# Altium PCB MODULE_2x1G_DUAL_MEDIA_V1.0.PcbDoc (part 1 of 3) (continued)
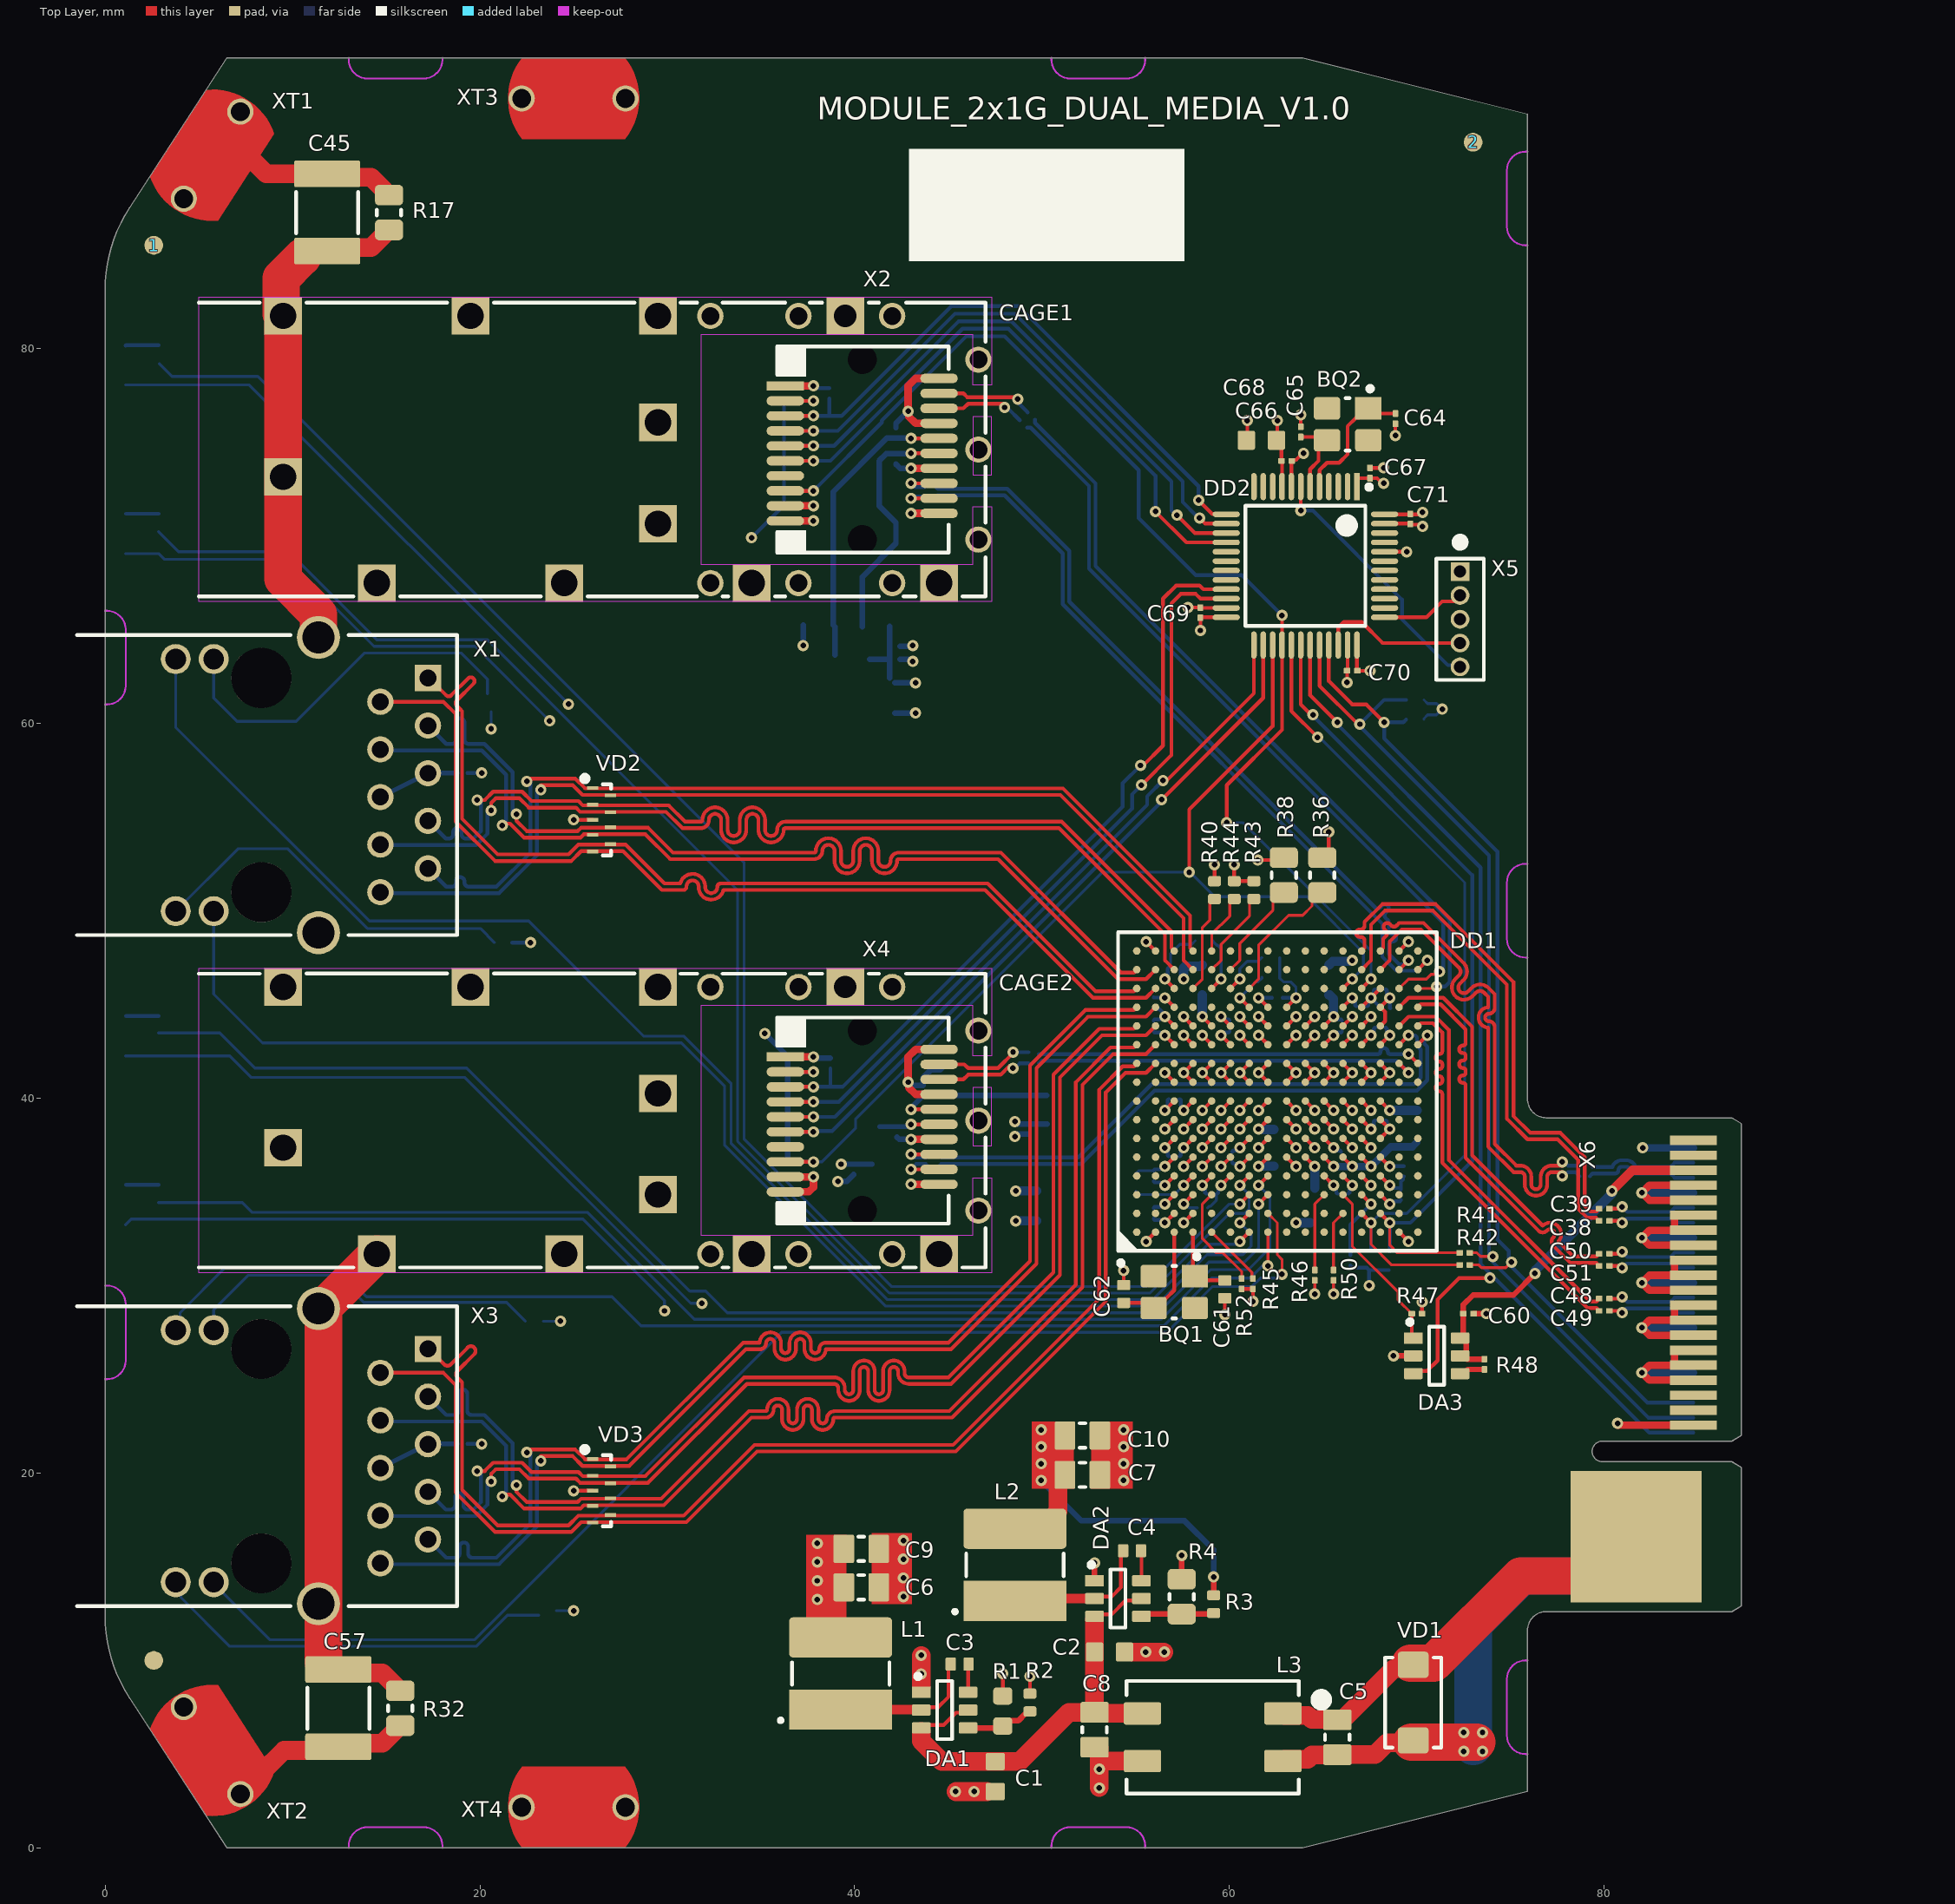
[diagram p0: Top Layer view]
## Components (designator, comment, footprint, x,y, rotation, side; value= is the part's Value field where it differs from the comment) (continued)
R19 "330" RES0402N 21.25,48.3 r180 bottom
R20 "330" RES0402N 2.85,43.9 r90 bottom
R21 "330" RES0402N 2.85,34.9 r90 bottom
R22 "4K7" RES0201N 36.7,39.8 r180 bottom
R23 "4K7" RES0201N 36.7,39 r180 bottom
R24 "10К" RES0201N 36.7,38.2 r180 bottom
R25 "0" RES0201N 38.7,41.85 r90 bottom
R26 "10К" RES0201N 36.7,41.4 r180 bottom
R27 "10К" RES0201N 36.7,36.6 r180 bottom
R28 "0" RES0201N 44.2,36.95 r180 bottom
R29 "0" RES0201N 44.2,36.35 r180 bottom
R30 "0" RES0201N 49.55,41.85 r180 bottom
R31 "0" RES0201N 49.55,42.45 r180 bottom
R32 "9M1" RES0805N 15.75,7.45 r90 top
R33 "330" RES0402N 22.9,28.1 r180 bottom
R34 "330" RES0402N 23.6,12.65 r180 bottom
R35 "4К02 1%" RES0402N 62.2,46.45 r180 bottom
R36 "22К6 1%" RES0805N 64.95,51.9 r270 top
R37 "4К02 1%" RES0402N 62.2,47.5 r180 bottom
R38 "22К6 1%" RES0805N 62.9,51.9 r270 top
R39 "2К26 1%" RES0402N 58.65,48.4 r0 bottom
R40 "0" RES0402N 59.2,51.1 r270 top
R41 "0" RES0201N 72.55,31.75 r180 top
R42 "0" RES0201N 72.55,31.1 r180 top
R43 "0" RES0402N 61.3,51.1 r270 top
R44 "0" RES0402N 60.25,51.1 r270 top
R45 "2К2" RES0201N 61.25,30.1 r90 top
R46 "2К2" RES0201N 64.55,30.55 r90 top
R47 "2К2" RES0201N 70,28.5 r180 top
R48 "10K" RES0201N 73.6,25.8 r270 top
R49 "330" RES0402N 67.45,31.3 r270 bottom
R50 "10K" RES0201N 65.55,30.55 r90 top
R51 "10K" RES0201N 66.45,31.35 r90 bottom
R52 "2К2" RES0201N 60.65,30.1 r90 top
R53 "330" RES0402N 68.5,31.3 r270 bottom
R54 "2К 1%" RES0402N 55,35.5 r90 bottom
R55 "330" RES0402N 69.9,61.25 r0 bottom
R56 "330" RES0402N 69.9,60.2 r0 bottom
VD1 "SMAJ15CA" "DO-214AC (SMA) Non-Polar" 69.8,7.75 r90 top
VD2 "WE-TVS 824014881" DFN3810-9L 26.5,54.85 r270 top
VD3 "WE-TVS 824014881" DFN3810-9L 26.5,19.05 r270 top
X1 "WE-RJ45LAN 7499111447" 7499111447 10.5,56.7 r90 top locked
X2 "SFP" "74441-00(01, 10, 31, 41)" 40.4,74.6 r270 top locked
X3 "WE-RJ45LAN 7499111447" 7499111447 10.5,20.9 r90 top locked
X4 "SFP" "74441-00(01, 10, 31, 41)" 40.4,38.8 r270 top locked
X5 "SWD" PLL-5 72.3,65.55 r270 top locked
X6 "EDGE AMPHENOL CE1204000110111" "EDGE AMPHENOL CE1204000110111" 79.9,21.15 r90 top locked
XT1 "7466313" 7466313 5.711,90.31 r57 top locked
XT2 "7466313" 7466313 5.711,5.19 r123 top locked
XT3 "7466313" 7466313 25,93.335 r0 top locked
XT4 "7466313" 7466313 25,2.165 r0 top locked
? "Comment" Fiducial 2.6,10 r0 top locked
? "Comment" TAB_d0,5_e0,75_q6_offset0,1_keepout 0,27.5 r90 top locked
? "Comment" TAB_d0,5_e0,75_q6_offset0,1_keepout 0,63.5 r90 top locked
? "Comment" TAB_d0,5_e0,75_q6_offset0,1_keepout 15.5,0 r180 top locked
? "Comment" TAB_d0,5_e0,75_q6_offset0,1_keepout 53,0 r180 top locked
? "Comment" TAB_d0,5_e0,75_q6_offset0,1_keepout 15.5,95.5 r0 top locked
? "Comment" TAB_d0,5_e0,75_q6_offset0,1_keepout 53,95.5 r0 top locked
? "Comment" TAB_d0,5_e0,75_q6_offset0,1_keepout 75.9,88 r270 top locked
? "Comment" TAB_d0,5_e0,75_q6_offset0,1_keepout 75.9,50 r270 top locked
? "Comment" TAB_d0,5_e0,75_q6_offset0,1_keepout 75.9,7.5 r270 top locked

## Footprints (in the part's own frame and the unit in brackets; to place one, negate y for a bottom-side part, rotate by r counter-clockwise, add the part's x,y. Pads: shape width x height; smd on the part's side, far side on the other; paste and mask are expansions set on the pad)
2110x0,6-SMD-LED-GN [mm]
  rrect20% 0.8x0.9 smd: A(1.05,0)
  rect 0.8x0.9 smd: C(-1.05,0)
  silkscreen extent -0.68,-0.2 0.68,0.9, body extent -1.08,-0.13 1.08,0.9, height 0.61
2110x0,6-SMD-LED-ORANGE [mm]
  rrect20% 0.8x0.9 smd: A(1.05,0)
  rect 0.8x0.9 smd: C(-1.05,0)
  silkscreen extent -0.68,-0.2 0.68,0.9, body extent -1.08,-0.13 1.08,0.9, height 0.61
"3225 Crystal" [mm]
  rect 1.4x1.2 smd: 1(-1.1,-0.85)
  rrect25% 1.4x1.2 smd: 2(1.1,-0.85) 3(1.1,0.85) 4(-1.1,0.85)
  silkscreen extent -1.33,-2.02 0.1,1.4, body extent -1.6,-1.25 1.6,1.25, height 0.75
"74441-00(01, 10, 31, 41)" [mm]
  round 0 hole 1.55 unplated: 0(-4.8,0) 0(4.8,0)
  rect 0.5x2 smd mask+0.07: 1(-3.4,-4.1)
  oval 0.5x2 smd mask+0.07: 2(-2.6,-4.1) 3(-1.8,-4.1) 4(-1,-4.1) 5(-0.2,-4.1) 6(0.6,-4.1) 7(1.4,-4.1) 8(2.2,-4.1) 9(3,-4.1) 10(3.8,-4.1) 11(3.4,4.1) 12(2.6,4.1) 13(1.8,4.1) 14(1,4.1) 15(0.2,4.1) 16(-0.6,4.1) 17(-1.4,4.1) 18(-2.2,4.1) 19(-3,4.1) 20(-3.8,4.1)
  silkscreen extent -5.5,-4.54 5.5,4.61, body extent -5.5,-4.54 5.5,4.61, height 5.38
7466313 [mm]
  round 1.4 on Top Paste: 0(-2.77,0) 0(2.77,0)
  round 1.4 hole 1 mask+0: 1(-2.77,0) 1(2.77,0)
  Top Layer region: -2.75,2.165 -3.414,0.772 -3.414,-0.772 -2.75,-2.165 -2.75,-2.165 2.75,-2.165 3.414,-0.772 3.414,0.772 2.75,2.165 2.75,2.165
  body extent -3.5,-2.16 3.5,2.17, height 7.01
7499111447 [mm]
  round 3.2 hole 3.2: 0(-5.715,2.16) 0(5.715,2.16)
  rect 1.4x1.4 hole 0.9: 1(5.715,-6.73)
  round 1.4 hole 0.9: 2(4.445,-4.19) 3(3.175,-6.73) 4(1.905,-4.19) 5(0.635,-6.73) 6(-0.635,-4.19) 7(-1.905,-6.73) 8(-3.175,-4.19) 9(-4.445,-6.73) 10(-5.715,-4.19)
  round 1.6 hole 1.1: 11(6.725,4.7) 12(6.725,6.73) 13(-6.725,4.7) 14(-6.725,6.73)
  round 2.3 hole 1.7: SH(-7.875,-0.89) SH(7.875,-0.89)
  silkscreen extent -8,-8.29 8,12, body extent -9.72,-8.29 9.72,13.01, height 15.29
CAP0201(0603x03)N [mm] "Chip Capacitor, 2-Leads, Body 0,60x0,30mm, IPC Medium Density"
  rrect20% 0.35x0.3 smd paste-3 mask+0.05: 1(-0.275,0) 2(0.275,0)
  body extent -0.3,-0.15 0.3,0.15, height 0.31
CAP0402(1005x05)N [mm] "Chip Capacitor, 2-Leads, Body 1,00x0,50mm, IPC Medium Density"
  rrect20% 0.55x0.69 smd: 1(-0.475,0) 2(0.475,0)
  body extent -0.5,-0.25 0.5,0.25, height 0.51
CAP0603(1608x08)N [mm] "Chip Capacitor, 2-Leads, Body 1,60x0,80mm, IPC Medium Density"
  rrect20% 0.92x1.02 smd: 1(-0.8,0) 2(0.8,0)
  body extent -0.8,-0.4 0.8,0.4, height 0.81
CAP0805(2012x125)N [mm] "Chip Capacitor, 2-Leads, Body 2,00x1,25mm, IPC Medium Density"
  rrect15% 1.1x1.5 smd: 1(-0.93,0) 2(0.93,0)
  silkscreen extent -0.15,-0.65 0.15,0.65, body extent -1,-0.62 1,0.63, height 1.26
CAP1812(4532x25)N [mm] "Chip Capacitor, 2-Leads, Body 4,50x3,20mm, IPC Medium Density"
  rrect15% 1.42x3.54 smd: 1(-2.06,0) 2(2.06,0)
  silkscreen extent -1.1,-1.65 1.1,1.65, body extent -2.25,-1.6 2.25,1.6, height 2.51
DFN3810-9L [mm]
  rect 0.2x0.6 smd mask+0.07: 1(-1.7,-0.475) 2(-0.8,-0.475) 3(0,-0.475) 4(0.8,-0.475) 5(1.7,-0.475) 6(1.3,0.475) 7(0.4,0.475) 8(-0.4,0.475) 9(-1.3,0.475)
  silkscreen extent -2.3,-1 1.9,0.5, body extent -1.9,-0.5 1.9,0.5, height 0.55
"DO-214AC (SMA) Non-Polar" [mm]
  rrect25% 1.4x1.64 smd: 1(-2.015,0) 2(2.015,0)
  silkscreen extent -2.4,-1.5 2.4,1.5, body extent -2.8,-1.47 2.8,1.48, height 2.7
"EDGE AMPHENOL CE1204000110111" [mm]
  rect 0.5x2.5 smd paste-10 mask+0: 1(1.4,-4.85) 3(2.2,-4.85) 5(3,-4.85) 7(3.8,-4.85) 9(4.6,-4.85) 11(5.4,-4.85) 13(6.2,-4.85) 15(7,-4.85) 17(7.8,-4.85) 19(8.6,-4.85) 21(9.4,-4.85) 23(10.2,-4.85) 25(11,-4.85) 27(11.8,-4.85) 29(12.6,-4.85) 31(13.4,-4.85) 33(14.2,-4.85) 35(15,-4.85) 37(15.8,-4.85) 39(16.6,-4.85)
  rect 0.5x2.5 smd far side paste-10 mask+0: 2(1,-4.85) 4(1.8,-4.85) 6(2.6,-4.85) 8(3.4,-4.85) 10(4.2,-4.85) 12(5,-4.85) 14(5.8,-4.85) 16(6.6,-4.85) 18(7.4,-4.85) 20(8.2,-4.85) 22(9,-4.85) 24(9.8,-4.85) 26(10.6,-4.85) 28(11.4,-4.85) 30(12.2,-4.85) 32(13,-4.85) 34(13.8,-4.85) 36(14.6,-4.85) 38(15.4,-4.85) 40(16.2,-4.85)
  rect 7x7 smd paste-10 mask+0: P1(-4.55,-1.8)
  rect 7x7 smd far side paste-10 mask+0: P2(-4.55,-1.8)
  Top Layer region: -7.56,-16.51
Fiducial [mm]
  round 1 smd paste-5 mask+0.5: FM(0,0)
  Top Layer pour cut-out: 0,1.25 0.478,1.155 0.884,0.884 1.155,0.478 1.25,0 1.25,0 1.155,-0.478 0.884,-0.884 0.478,-1.155 0,-1.25 0,-1.25 -0.478,-1.155 -0.884,-0.884 -1.155,-0.478 -1.25,0 -1.25,0 -1.155,0.478 -0.884,0.884 -0.478,1.155 0,1.25
IND0603N [mm] "Chip Inductor, 2-Leads, Body 1,60x0,80mm, IPC Medium Density"
  rrect20% 0.92x1.02 smd: 1(-0.8,0) 2(0.8,0)
  body extent -0.88,-0.48 0.87,0.48, height 1.01
LQFP-48 [mm] "TSQFP, 48-Leads, Body 7,00x7,00mm, Pitch 0,50mm, IPC Medium Density"
  rect 1.45x0.3 smd mask+0.05: 1(-4.225,2.75)
  oval 1.45x0.3 smd mask+0.05: 2(-4.225,2.25) 3(-4.225,1.75) 4(-4.225,1.25) 5(-4.225,0.75) 6(-4.225,0.25) 7(-4.225,-0.25) 8(-4.225,-0.75) 9(-4.225,-1.25) 10(-4.225,-1.75) 11(-4.225,-2.25) 12(-4.225,-2.75) 25(4.225,-2.75) 26(4.225,-2.25) 27(4.225,-1.75) 28(4.225,-1.25) 29(4.225,-0.75) 30(4.225,-0.25) 31(4.225,0.25) 32(4.225,0.75) 33(4.225,1.25) 34(4.225,1.75) 35(4.225,2.25) 36(4.225,2.75)
  oval 0.3x1.45 smd mask+0.05: 13(-2.75,-4.225) 14(-2.25,-4.225) 15(-1.75,-4.225) 16(-1.25,-4.225) 17(-0.75,-4.225) 18(-0.25,-4.225) 19(0.25,-4.225) 20(0.75,-4.225) 21(1.25,-4.225) 22(1.75,-4.225) 23(2.25,-4.225) 24(2.75,-4.225) 37(2.75,4.225) 38(2.25,4.225) 39(1.75,4.225) 40(1.25,4.225) 41(0.75,4.225) 42(0.25,4.225) 43(-0.25,4.225) 44(-0.75,4.225) 45(-1.25,4.225) 46(-1.75,4.225) 47(-2.25,4.225) 48(-2.75,4.225)
  silkscreen extent -4.32,-3.2 3.2,3.52, body extent -4.5,-4.5 4.5,4.5, height 1.6
"PBGA-256 (17x17x2)" [mm] "BGA, 256-Leads, Body 17,00x17,00mmx2,00mm, Pitch 1,00mm"
  round 0.4 smd: A1(-7.5,7.5) A2(-6.5,7.5) A3(-5.5,7.5) A4(-4.5,7.5) A5(-3.5,7.5) A6(-2.5,7.5) A7(-1.5,7.5) A8(-0.5,7.5) A9(0.5,7.5) A10(1.5,7.5) A11(2.5,7.5) A12(3.5,7.5) A13(4.5,7.5) A14(5.5,7.5) A15(6.5,7.5) A16(7.5,7.5) B1(-7.5,6.5) B2(-6.5,6.5) B3(-5.5,6.5) B4(-4.5,6.5) B5(-3.5,6.5) B6(-2.5,6.5) B7(-1.5,6.5) B8(-0.5,6.5) B9(0.5,6.5) B10(1.5,6.5) B11(2.5,6.5) B12(3.5,6.5) B13(4.5,6.5) B14(5.5,6.5) B15(6.5,6.5) B16(7.5,6.5) C1(-7.5,5.5) C2(-6.5,5.5) C3(-5.5,5.5) C4(-4.5,5.5) C5(-3.5,5.5) C6(-2.5,5.5) C7(-1.5,5.5) C8(-0.5,5.5) C9(0.5,5.5) C10(1.5,5.5) C11(2.5,5.5) C12(3.5,5.5) C13(4.5,5.5) C14(5.5,5.5) C15(6.5,5.5) C16(7.5,5.5) D1(-7.5,4.5) D2(-6.5,4.5) D3(-5.5,4.5) D4(-4.5,4.5) D5(-3.5,4.5) D6(-2.5,4.5) D7(-1.5,4.5) D8(-0.5,4.5) D9(0.5,4.5) D10(1.5,4.5) D11(2.5,4.5) D12(3.5,4.5) D13(4.5,4.5) D14(5.5,4.5) D15(6.5,4.5) D16(7.5,4.5) E1(-7.5,3.5) E2(-6.5,3.5) E3(-5.5,3.5) E4(-4.5,3.5) E5(-3.5,3.5) E6(-2.5,3.5) E7(-1.5,3.5) E8(-0.5,3.5) E9(0.5,3.5) E10(1.5,3.5) E11(2.5,3.5) E12(3.5,3.5) E13(4.5,3.5) E14(5.5,3.5) E15(6.5,3.5) E16(7.5,3.5) F1(-7.5,2.5) F2(-6.5,2.5) F3(-5.5,2.5) F4(-4.5,2.5) F5(-3.5,2.5) F6(-2.5,2.5) F7(-1.5,2.5) F8(-0.5,2.5) F9(0.5,2.5) F10(1.5,2.5) F11(2.5,2.5) F12(3.5,2.5) F13(4.5,2.5) F14(5.5,2.5) F15(6.5,2.5) F16(7.5,2.5) G1(-7.5,1.5) G2(-6.5,1.5) G3(-5.5,1.5) G4(-4.5,1.5) G5(-3.5,1.5) G6(-2.5,1.5) G7(-1.5,1.5) G8(-0.5,1.5) G9(0.5,1.5) G10(1.5,1.5) G11(2.5,1.5) G12(3.5,1.5) G13(4.5,1.5) G14(5.5,1.5) G15(6.5,1.5) G16(7.5,1.5) H1(-7.5,0.5) H2(-6.5,0.5) H3(-5.5,0.5) H4(-4.5,0.5) H5(-3.5,0.5) H6(-2.5,0.5) H7(-1.5,0.5) H8(-0.5,0.5) H9(0.5,0.5) H10(1.5,0.5) H11(2.5,0.5) H12(3.5,0.5) H13(4.5,0.5) H14(5.5,0.5) H15(6.5,0.5) H16(7.5,0.5) J1(-7.5,-0.5) J2(-6.5,-0.5) J3(-5.5,-0.5) J4(-4.5,-0.5) J5(-3.5,-0.5) J6(-2.5,-0.5) J7(-1.5,-0.5) J8(-0.5,-0.5) J9(0.5,-0.5) J10(1.5,-0.5) J11(2.5,-0.5) J12(3.5,-0.5) J13(4.5,-0.5) J14(5.5,-0.5) J15(6.5,-0.5) J16(7.5,-0.5) K1(-7.5,-1.5) K2(-6.5,-1.5) K3(-5.5,-1.5) K4(-4.5,-1.5) K5(-3.5,-1.5) K6(-2.5,-1.5) K7(-1.5,-1.5) K8(-0.5,-1.5) K9(0.5,-1.5) K10(1.5,-1.5) K11(2.5,-1.5) K12(3.5,-1.5) K13(4.5,-1.5) K14(5.5,-1.5) K15(6.5,-1.5) K16(7.5,-1.5) L1(-7.5,-2.5) L2(-6.5,-2.5) L3(-5.5,-2.5) L4(-4.5,-2.5) L5(-3.5,-2.5) L6(-2.5,-2.5) L7(-1.5,-2.5) L8(-0.5,-2.5) L9(0.5,-2.5) L10(1.5,-2.5) L11(2.5,-2.5) L12(3.5,-2.5) L13(4.5,-2.5) L14(5.5,-2.5) L15(6.5,-2.5) L16(7.5,-2.5) M1(-7.5,-3.5) M2(-6.5,-3.5) M3(-5.5,-3.5) M4(-4.5,-3.5) M5(-3.5,-3.5) M6(-2.5,-3.5) M7(-1.5,-3.5) M8(-0.5,-3.5) M9(0.5,-3.5) M10(1.5,-3.5) M11(2.5,-3.5) M12(3.5,-3.5) M13(4.5,-3.5) M14(5.5,-3.5) M15(6.5,-3.5) M16(7.5,-3.5) N1(-7.5,-4.5) N2(-6.5,-4.5) N3(-5.5,-4.5) N4(-4.5,-4.5) N5(-3.5,-4.5) N6(-2.5,-4.5) N7(-1.5,-4.5) N8(-0.5,-4.5) N9(0.5,-4.5) N10(1.5,-4.5) N11(2.5,-4.5) N12(3.5,-4.5) N13(4.5,-4.5) N14(5.5,-4.5) N15(6.5,-4.5) N16(7.5,-4.5) P1(-7.5,-5.5) P2(-6.5,-5.5) P3(-5.5,-5.5) P4(-4.5,-5.5) P5(-3.5,-5.5) P6(-2.5,-5.5) P7(-1.5,-5.5) P8(-0.5,-5.5) P9(0.5,-5.5) P10(1.5,-5.5) P11(2.5,-5.5) P12(3.5,-5.5) P13(4.5,-5.5) P14(5.5,-5.5) P15(6.5,-5.5) P16(7.5,-5.5) R1(-7.5,-6.5) R2(-6.5,-6.5) R3(-5.5,-6.5) R4(-4.5,-6.5) R5(-3.5,-6.5) R6(-2.5,-6.5) R7(-1.5,-6.5) R8(-0.5,-6.5) R9(0.5,-6.5) R10(1.5,-6.5) R11(2.5,-6.5) R12(3.5,-6.5) R13(4.5,-6.5) R14(5.5,-6.5) R15(6.5,-6.5) R16(7.5,-6.5) T1(-7.5,-7.5) T2(-6.5,-7.5) T3(-5.5,-7.5) T4(-4.5,-7.5) T5(-3.5,-7.5) T6(-2.5,-7.5) T7(-1.5,-7.5) T8(-0.5,-7.5) T9(0.5,-7.5) T10(1.5,-7.5) T11(2.5,-7.5) T12(3.5,-7.5) T13(4.5,-7.5) T14(5.5,-7.5) T15(6.5,-7.5) T16(7.5,-7.5)
  silkscreen extent -9.27,-8.5 8.5,8.5, body extent -8.6,-8.6 8.6,8.6, height 2.01
PLL-5 [mm]
  rect 1x1 hole 0.65 mask+0.07: 1(-2.54,0)
  round 1 hole 0.65 mask+0.07: 2(-1.27,0) 3(0,0) 4(1.27,0) 5(2.54,0)
  silkscreen extent -4.31,-1.27 3.24,1.27, body extent -3.17,-1.27 3.18,1.27, height 4.61
RES0201N [mm] "Chip Resistor, 2-Leads, Body 0,60x0,30mm, IPC Medium Density"
  rrect20% 0.35x0.3 smd paste-3 mask+0.05: 1(-0.275,0) 2(0.275,0)
  Top Layer region: -0.49,0.175
  body extent -0.31,-0.17 0.32,0.16, height 0.28
RES0402N [mm] "Chip Resistor, 2-Leads, Body 1,00x0,50mm, IPC Medium Density"
  rrect40% 0.55x0.69 smd: 1(-0.475,0) 2(0.475,0)
  body extent -0.57,-0.27 0.58,0.28, height 0.4
RES0603N [mm] "Chip Resistor, 2-Leads, Body 1,60x0,80mm, IPC Medium Density"
  rrect40% 0.92x1.02 smd: 1(-0.8,0) 2(0.8,0)
  body extent -0.85,-0.4 0.85,0.4, height 0.56
RES0805N [mm] "Chip Resistor, 2-Leads, Body 2,00x1,25mm, IPC Medium Density"
  rrect40% 1.1x1.5 smd: 1(-0.93,0) 2(0.93,0)
  silkscreen extent -0.15,-0.65 0.15,0.65, body extent -1.15,-0.67 1.15,0.68, height 0.76
"SFP-CAGE (MOLEX 74737-0010, TE 2227302-1)-LargeMountingHoles" [mm]
  round 1.4 hole 0.95: SH(-7.13,-3.4) SH(-7.13,1.6) SH(-7.13,-8.1) SH(-4.8,6.2) SH(0,6.2) SH(4.8,6.2) SH(7.12,-3.4) SH(7.12,1.6) SH(7.12,-8.1)
  rect 2x2 hole 1.2: SH(-7.13,-0.9)
  rect 2x2 hole 1.4: SH(-7.13,-10.9) SH(-7.13,-20.9) SH(-7.13,-30.9) SH(-1.45,-10.9) SH(1.45,-30.9) SH(3.95,-10.9) SH(7.12,4.1) SH(7.12,-5.9) SH(7.12,-15.9) SH(7.12,-25.9)
  Top Layer keep-out region: -1.75,5.9 1.35,5.9 1.35,6.9 -1.75,6.9
  Top Layer keep-out region: -3.45,5.9 -6.13,5.9 -6.13,-8.6 6.12,-8.6 6.12,5.9 3.05,5.9 3.05,6.9 8.12,6.9 8.12,-35.4 -8.13,-35.4 -8.13,6.9 -3.45,6.9
  silkscreen extent -7.85,-35.4 7.84,6.58, body extent -7.84,-42.4 7.84,6.58, height 10.31
SOT23-6 [mm] "SOT23, 6-Leads, Body 2,90x2,70mm, Pitch 0,95mm, IPC Medium Density"
  rect 1x0.6 smd: 1(-1.25,0.95)
  rrect25% 1x0.6 smd: 2(-1.25,0) 3(-1.25,-0.95) 4(1.25,-0.95) 5(1.25,0) 6(1.25,0.95)
  silkscreen extent -1.55,-1.55 0.4,1.92, body extent -1.4,-1.45 1.4,1.45, height 1.45
TAB_d0,5_e0,75_q6_offset0,1_keepout [mm]
  Keep-Out Layer lines w0.1: -2.5,0 -2.5,-0.102 ; 2.5,0 2.5,-0.102 ; -2.5,-0.1 ccw(c-1.5,-0.1) -1.5,-1.1 1.5,-1.1 ccw(c1.5,-0.1) 2.5,-0.1
WE-PD2-5848 [mm]
  rect 2.15x5.5 smd: 1(-1.925,0)
  rrect20% 2.15x5.5 smd: 2(1.925,0)
  silkscreen extent -2.6,-2.6 0.6,3.3, body extent -2.9,-2.6 2.9,2.6, height 4.85
WE-SL2 [mm]
  rrect20% 2x1.2 smd: 1(-3.75,1.27) 2(-3.75,-1.27) 3(3.75,-1.27) 4(3.75,1.27)
  silkscreen extent -6,-3 4.6,3, body extent -4.6,-3 4.6,3, height 5.3

## Part data
BQ1: library part DSX321G, "Кварцевый резонатор DSX321G 25 MHz -40+85C"
BQ2: library part DSX321G, "Кварцевый резонатор DSX321G 12 MHz -40+85C"
C1 C2 C18 C23 C27 C32: library part C0603, "Чип-конденсатор 10 мкФ 16 В 0603", TYPE="Чип-конденсатор 0603"
C3 C4: library part C0402, "Чип-конденсатор 0,1 мкФ 16 В 0402", TYPE="Чип-конденсатор 0402"
C5 C8: library part C0805, "Чип-конденсатор 0,1 мкФ  100 В 0805", TYPE="Чип-конденсатор 0805"
C6 C7 C9 C10: library part C0805, "Чип-конденсатор 22 мкФ 25 В 0805", TYPE="Чип-конденсатор 0805"
C11 C12 C13 C14 C15 C16 C17 C19 C20 C21 C22 C24 C25 C26 C28 C29 C30 C31 C33 C34 C35 C36 C37 C38 C39 C41 C42 C43 C44 C47 C48 C49 C50 C51 C53 C54 C55 C56 C59 C60 C66 C67 C69 C70 C71: library part C0201, "Чип-конденсатор 0,1 мкФ 10 В 0201", TYPE="Чип-конденсатор 0201"
C40 C46 C52 C58: library part C0603, "Чип-конденсатор 10 мкФ 6,3 В 0603", TYPE="Чип-конденсатор 0603"
C45 C57: library part C1812, "Чип-конденсатор 2200 пФ 4 кВ 1812", TYPE="Чип-конденсатор 0402"
C61 C62: library part C0402, "Чип-конденсатор 33 пФ 50 В 0402", TYPE="Чип-конденсатор 0402"
C63: library part C0201, "Чип-конденсатор 1 мкФ 10 В 0201", TYPE="Чип-конденсатор 0201"
C64 C65: library part C0201, "Чип-конденсатор 22 пФ 25 В 0201", TYPE="Чип-конденсатор 0201"
C68: library part C0603, "Чип-конденсатор 10,0 мкФ 6,3 В 0603", TYPE="Чип-конденсатор 0603"
CAGE1 CAGE2: library part 7332, ComponentLink1Description="Сайт производителя", ComponentLink1URL=http://www.te.com/usa-en/home.html, ComponentLink2Description=C-2227302, ComponentLink2URL="\\JSERV\SQLEXPRESS\CmpDB\DocLibrary\Datasheets\По производителям\TE\ENG_CD_2227302_A2.pdf", ID=7332, Группа=Соединители, Производитель="TE Connectivity", Тип="Соединители прочие", УсловноеОбозначение=2227302-1
DA1 DA2: library part TPS562209, "DC/DC-контроллер TPS563209DDC SOT-23-6"
DA3: library part TPS3808G18DBVR, "Микросхема TPS3808G25DBV SOT-23-6", Manufactory="Texas Instruments", Function="Programmable-Delay Supervisory Circuit"
DD1: "Микросхема VSC8662XIC-03", Manufactory="Microchip Technology", Function="Dual Port 10/100/1000BASE-T PHY"
DD2: "Микроконтроллер STM32F070CBT6 LQFP-48"
HL1 HL3: library part 12-21, "Светодиод KPA-2106CGCK зелёный Kingbright"
HL2 HL4: library part 12-21_yellow, "Светодиод KPA-2106SECK оранжевый Kingbright"
L1 L2: library part WURTH_744774033, "Дроссель 744774033 3,3 мкГн 4 А Wurth Elektronik", TYPE="Дроссель SDR0403"
L3: library part "WE-SL2 744224", "Линейный фильтр WE-SL2 744226 Wurth Elektronik"
L4 L5 L6 L7 L8: library part BLM18PG121SN1D, "Индуктивность SB01-160808121P", Manufactory="CHIKARA Electronics", Function="120 Ohms @ 100MHz 1 Power Line Ferrite Bead 0603 (1608 Metric) 2,2 A"
R1: library part R0603, "Чип-резистор 33,2 кОм 1% 0603", TYPE="Чип-резистор 0603"
R2: library part R0402, "Чип-резистор 10 кОм 1% 0402", TYPE="Чип-резистор 0402"
R3: library part R0402, "Чип-резистор 1,87 кОм 1% 0402", TYPE="Чип-резистор 0402"
R4: library part R0805, "Чип-резистор 3,3 кОм 1% 0805", TYPE="Чип-резистор 0805"
R5 R6 R18 R19 R20 R21 R33 R34 R49 R53 R55 R56: library part R0402, "Чип-резистор 330 Ом 5% 0402", TYPE="Чип-резистор 0402"
R7 R8: library part R0201, "Чип-резистор 4,7 кОм 5% 0201", TYPE="Чип-резистор 0201"
R9 R11 R12 R22 R23 R24 R26 R27 R48 R50 R51: library part R0201, "Чип-резистор 10 кОм 5% 0201", TYPE="Чип-резистор 0201"
R10 R13 R14 R15 R16 R25 R28 R29 R30 R31: library part R0201, "Чип-резистор 0 Ом 5% 0201", TYPE="Чип-резистор 0201"
R17 R32: library part R0805, "Чип-резистор 9,1 МОм 5% 0805", TYPE="Чип-резистор 0805"
R35 R37: library part R0402, "Чип-резистор 4,02 кОм 1% 0402", TYPE="Чип-резистор 0402"
R36 R38: library part R0805, "Чип-резистор 22,6 кОм 1% 0805", TYPE="Чип-резистор 0805"
R39: library part R0402, "Чип-резистор 2,26 кОм 1% 0402", TYPE="Чип-резистор 0402"
R40 R43 R44: library part R0402, "Чип-резистор 0 Ом 5% 0402", TYPE="Чип-резистор 0402"
R41 R42: library part R0201_tooth, "Чип-резистор 0 Ом 5% 0201", TYPE="Чип-резистор 0201"
R45 R46 R47 R52: library part R0201, "Чип-резистор 2,2 кОм 5% 0201", TYPE="Чип-резистор 0201"
R54: library part R0402, "Чип-резистор 2 кОм 1% 0402", TYPE="Чип-резистор 0402"
VD1: "Диод TVS симметричный SMAJ15CA SMA (DO-214AC)"
VD2 VD3: "Диодная сброка ESD защиты WE-TVS 824014881 Wurth Elektronik"
X1 X3: "Разъём RJ-45 c трансформатором WE-RJ45LAN 7499111447 Wurth Elektronik"
X2 X4: "SFP SINGLE"
X5: library part SWD_5_127, "Штыревое соединение 1х5 шаг 1,27 мм однорядное"
X6: library part MOLEX_76861_1120_SLOT, "Слот для разъёма EDGE AMPHENOL CE1204000110111"
XT1 XT2 XT3 XT4: library part 7315, "Контакт заземления на плату WP-SMRA 7466313", ComponentLink1Description="Сайт производителя", ComponentLink1URL=https://www.we-online.com/web/en/wuerth_elektronik/start.php, ComponentLink2Description="ГОСТ 16840-78", ComponentLink2URL="\\JSERV\SQLEXPRESS\CmpDB\DocLibrary\ГОСТ\ГОСТ 16840-78 Лепестки штырьковые. Конструкция и размеры.pdf", ID=7315, Группа=Соединители, Описание="Контакт заземления на плату WP-SMRA 7466313", Производитель="Wurth Elektronik", Серия=WP-SMRA, Тип="Соединители прочие", УсловноеОбозначение=7466313

## Via types
v1: diameter 0.6, hole 0.3, Top Layer to Bottom Layer, tented both sides, 303 vias

## Nets (pads, with @x,y where several pads share a name; then routed paths per layer and width w, separated by ;. In a path a pad name is that pad's centre, name@x,y a point inside that pad or via, vN(x,y) a via of type N, cw(c..) or ccw(c..) an arc to the next point about the centre after c; other vN are vias at no path point)
+1V2: C7.1 C10.1 C17.2 C18.2 C22.2 C23.2 C26.2 C27.2 C31.2 C32.2 DD1.E5 DD1.E12 DD1.F5 DD1.F12 DD1.G5 DD1.G12 DD1.H5 DD1.H12 DD1.J5 DD1.J12 DD1.K5 DD1.K12 DD1.L5 DD1.L12 DD1.M5 DD1.M12 DD1.N5 DD1.N12 L2.2 L4.1 R3.2 | length 42.2
  Top Layer w0.2: v1(58.55,36.35) DD1.E5@59.05,36.85 ; v1(58.55,44.35) DD1.E12@59.05,43.85 ; v1(59.55,36.35) DD1.F5@60.05,36.85 ; v1(59.55,44.35) DD1.F12@60.05,43.85 ; v1(60.55,36.35) DD1.G5@61.05,36.85 ; v1(60.55,44.35) DD1.G12@61.05,43.85 ; v1(61.55,36.35) DD1.H5@62.05,36.85 ; v1(61.55,44.35) DD1.H12@62.05,43.85 ; DD1.J5@63.05,36.85 v1(63.55,36.35) ; DD1.J12@63.05,43.85 v1(63.55,44.35) ; DD1.K5@64.05,36.85 v1(64.55,36.35) ; DD1.K12@64.05,43.85 v1(64.55,44.35) ; DD1.L5@65.05,36.85 v1(65.55,36.35) ; DD1.L12@65.05,43.85 v1(65.55,44.35) ; DD1.M5@66.05,36.85 v1(66.55,36.35) ; DD1.M12@66.05,43.85 v1(66.55,44.35) ; DD1.N5@67.05,36.85 v1(67.55,36.35) ; DD1.N12@67.05,43.85 v1(67.55,44.35)
  Top Layer w0.3: R3.2@59.15,13.475 v1(59.15,14.45)
  Top Layer w1: L2.2@48.55,17.025 49.075,17.55 50.45,17.55 50.85,17.95 C7.1@50.85,19.9
  Bottom Layer w0.2: v1@59.4,44.35 59.508,44.35 59.658,44.2 59.925,44.2 59.95,44.2 60,44.15 C31.2@60,44.125 ; C26.2@60.15,36.575 60.15,36.55 60.2,36.5 60.225,36.5 60.492,36.5 60.642,36.35 v1@60.75,36.35 ; v1@65.35,36.35 v1@65.458,36.35 ; v1@65.4,44.35 65.508,44.35 65.529,44.329 65.658,44.2 C17.2@65.925,44.2 ; C17.2@65.925,44.2 65.95,44.2 66,44.15 C17.2@66,44.125
  Bottom Layer w0.3: v1(49.95,19.6) 52.1,17.45 57.6,17.45 59.15,15.9 v1(59.15,14.45)
  Bottom Layer w0.4: v1@65.458,36.35 v1(65.55,36.35) v1(66.55,36.35) v1(67.55,36.35) 68.6,37.4 69.75,37.4 L4.1@70,37.65
  Bottom Layer w0.5: v1(58.55,44.35) C27.2@58.55,45.5 ; v1(61.55,36.35) 61.569,36.369 C18.2@62.369,36.369 ; C23.2@64.55,35.2 v1(64.55,36.35) ; C32.2@65.3,45.5 65.34,45.5 65.55,45.29 v1(65.55,44.35)
  other v1: 49.95,20.5 49.95,21.4 49.95,22.3
+2V5_EXT: C60.1 DA3.5 DA3.6 R48.1 X6.35 | length 19.6
  Top Layer w0.3: DA3.5@72.325,26.275 DA3.5@72.3,26.25 72.5,26.25 72.675,26.075 R48.1@73.6,26.075 ; DA3.6@72.325,27.2 72.475,27.35 C60.1@72.475,28.5 72.475,28.975 73,29.5 75.15,29.5 v1(76.3,30.65) ; DA3.5@72.625,26.275 DA3.6@72.625,27.2
  Top Layer w0.5: v1(80.4,35.05) 81.5,36.15 X6.35@84.75,36.15
  Bottom Layer w0.5: v1(76.3,30.65) 76.319,30.669 76.319,30.819 80.4,34.9 v1(80.4,35.05)
+3V3: C6.1 C9.1 C12.1 C14.2 C15.1 C19.2 C20.1 C24.2 C25.1 C28.2 C29.1 C30.1 C33.2 C34.1 C35.1 C40.2 C41.1 C42.1 C52.2 C53.1 C54.1 C66.1 C67.1 C68.2 C69.1 C70.1 C71.1 DD1.C2 DD1.C4 DD1.C6 DD1.C11 DD1.C14 DD1.D2 DD1.E4 DD1.H13 DD1.M4 DD1.M13 DD1.P3 DD1.P5 DD1.P12 DD1.P13 DD2.1 DD2.9 DD2.24 DD2.36 DD2.48 HL1.A HL2.A HL3.A HL4.A L1.2 L5.1 L6.1 L7.1 L8.1 R1.2 R7.2 R8.2 R9.2 R11.2 R12.2 R18.1 R19.1 R22.2 R23.2 R24.2 R26.2 R27.2 R33.1 R34.1 R36.1 R39.1 R40.1 R46.1 R47.1 R49.2 R50.1 R51.1 R53.2 R55.2 R56.2 X5.1 | length 197
  Top Layer w0.15: v1(64.55,29.55) R46.1@64.55,30.275 ; v1(65.55,29.55) R50.1@65.55,30.275
  Top Layer w0.2: R1.2@47.9,8.1 v1(47.9,9.3) ; v1(56.55,33.35) DD1.C2@57.05,33.85 ; v1(56.55,35.35) DD1.C4@57.05,35.85 ; v1(56.55,37.35) DD1.C6@57.05,37.85 ; v1(56.55,43.35) DD1.C11@57.05,42.85 ; v1(56.55,46.35) DD1.C14@57.05,45.85 ; v1(57.55,33.35) DD1.D2@58.05,33.85 ; v1(58.45,64.95) C69.1@58.45,65.625 ; C69.1@58.475,65.65 DD2.24@59.825,65.65 ; v1(58.55,35.35) DD1.E4@59.05,35.85 ; R40.1@59.2,51.575 v1(59.2,52.45) ; v1(61.55,45.35) DD1.H13@62.05,44.85 ; v1(62.55,76.15) 62.55,75.05 62.775,74.825 C66.1@62.775,74 ; DD2.9@62.8,72.625 C66.1@62.8,73.975 ; R36.1@64.95,52.83 65.3,53.18 v1(65.3,54.2) ; DD1.M4@66.05,35.85 v1(66.55,35.35) ; DD1.M13@66.05,44.85 v1(66.55,45.35) ; C70.1@66.8,62.825 DD2.36@66.8,64.175 ; DD2.1@66.8,73.075 C67.1@67.5,73.075 67.875,73.075 68.15,72.8 v1(68.225,72.8) v1@68.3,72.8 ; C70.1@66.825,62.8 v1(67.5,62.8) ; DD1.P3@68.05,34.85 v1(68.55,34.35) ; DD1.P5@68.05,36.85 v1(68.55,36.35) ; DD1.P12@68.05,43.85 68.3,44.1 68.3,44.6 DD1.P13@68.05,44.85 v1(68.55,45.35) ; DD2.48@68.275,71.15 v1@70.35,71.15 ; R47.1@70.275,28.5 v1(70.275,29.125)
  Bottom Layer w0.15: HL4.A@1.1,33.25 1.4,33.55 25.5,33.55 29.85,29.2 v1(29.85,28.65) ; HL3.A@1.1,42.25 6.65,42.25 7.8,41.1 19.2,41.1 31.25,29.05 v1(31.85,29.05) ; HL2.A@1.1,69.05 2.85,69.05 3.15,68.75 9.7,68.75 14.35,64.1 19.75,64.1 v1(23.725,60.125) ; HL1.A@1.1,78.05 7.7,78.05 v1(24.725,61.025) ; v1(20.6,59.7) R18.1@20.6,60.625 ; R33.1@23.375,28.1 v1(24.3,28.1) ; R34.1@24.075,12.65 v1(25,12.65) ; C14.2@56.775,46.95 56.85,47.025 56.85,47.7 57.35,48.2 57.978,48.2 58.175,48.397 R39.1@58.175,48.4 ; R56.2@70.375,60.2 70.375,60.251 70.572,60.448 70.623,60.448 70.625,60.45 71.037,60.45 71.337,60.75 v1(71.35,60.75) 71.05,61.05 70.572,61.05 70.375,61.247 R55.2@70.375,61.25
  Bottom Layer w0.2: R19.1@21.725,48.3 v1(22.7,48.3) ; v1(34.5,69.9) 36.225,71.625 R12.2@36.225,72.4 R9.2@36.225,74 R7.2@36.225,75.6 R11.2@36.225,77.2 ; C33.2@55.95,33.575 55.95,33.55 56,33.5 56.025,33.5 56.292,33.5 56.442,33.35 v1(56.55,33.35) ; C28.2@55.95,35.575 55.95,35.55 56,35.5 56.025,35.5 56.292,35.5 56.442,35.35 v1(56.55,35.35) ; C19.2@55.95,43.575 55.95,43.55 56,43.5 56.025,43.5 56.292,43.5 56.442,43.35 v1(56.55,43.35) ; v1@56.55,37.5 56.55,37.392 56.571,37.371 56.7,37.242 56.7,36.975 56.7,36.95 56.75,36.9 C24.2@56.775,36.9 ; v1(56.55,46.35) 56.55,46.458 56.7,46.608 56.7,46.875 56.7,46.9 56.75,46.95 C14.2@56.775,46.95 ; v1@58.55,35.5 58.55,35.392 58.571,35.371 58.7,35.242 C34.1@58.7,34.975 ; C34.1@58.7,34.975 58.7,34.95 58.75,34.9 C34.1@58.775,34.9 ; v1(61.55,45.35) C29.1@62.275,45.35 ; C30.1@66.325,34.9 66.35,34.9 66.4,34.95 66.4,35.092 66.55,35.242 v1(66.55,35.35) ; R51.1@66.45,31.075 66.45,31.05 66.5,31 66.525,31 66.575,30.95 67.325,30.95 R49.2@67.45,30.825 ; v1@66.55,45.5 66.55,45.392 66.571,45.371 66.7,45.242 66.7,44.975 66.7,44.95 66.75,44.9 C25.1@66.775,44.9 ; v1(67.45,30) R49.2@67.45,30.825 ; C12.1@68.325,45.8 68.35,45.8 68.4,45.75 68.4,45.725 68.4,45.458 68.529,45.329 68.562,45.296 68.562,44.813 C15.1@68.575,44.8 ; R53.2@68.5,30.825 R49.2@67.45,30.825 ; v1(68.55,34.35) 68.658,34.35 68.808,34.5 69.075,34.5 69.1,34.5 69.15,34.55 C35.1@69.15,34.575 ; v1@68.575,36.375 C20.1@69.3,36.375
  Bottom Layer w0.3: v1(35.2,43.45) 36.425,42.225 R26.2@36.425,41.4 R22.2@36.425,39.8 R23.2@36.425,39 R27.2@36.425,36.6 ; v1(39.275,36.475) C53.1@39.95,36.475 L7.1@40.925,36.475 ; L6.1@40.8,63.4 C42.1@41.875,63.4 ; C40.2@41.875,62.425 C42.1@41.875,63.4 ; L5.1@41.875,65.175 C42.1@41.875,63.4 ; C40.2@42.15,62.15 v1(43.25,62.15) ; v1@48.55,38.7 48.625,38.625 C54.1@49.25,38.625 L8.1@50.275,38.625
  Bottom Layer w0.5: v1(48.6,35.05) C52.2@49.7,35.05
  other v1: 38,13.25 38,14.25 38,15.25 38,16.25 48.55,38.75 70.3,71.25
EXT_MDC: DD2.32 R41.1 R55.1 X6.4 | length 55.3
  Top Layer w0.15: R41.1@72.825,31.75 73.2,31.75 73.4,31.55 v1(74.05,31.55)
  Top Layer w0.2: DD2.32@64.8,64.175 64.8,62 66.85,59.95 v1(66.95,59.95)
  Bottom Layer w0.2: v1(66.95,59.95) 68.25,61.25 R55.1@69.425,61.25 ; v1@66.975,59.95 66.975,59.825 73.85,52.95 73.85,31.45 82.35,22.95 X6.4@84.75,22.95
EXT_MDIO: DD2.33 R42.1 R56.1 X6.6 | length 54
  Top Layer w0.15: R42.1@72.825,31.1 73.3,31.1 73.45,30.95 74.737,30.95 75.037,31.25 v1(75.05,31.25)
  Top Layer w0.2: DD2.33@65.3,64.175 65.3,62.25 66.55,61 67.3,61 v1(68.25,60.05)
  Bottom Layer w0.2: R56.1@69.425,60.2 69.275,60.05 v1(68.25,60.05) 68.25,59.2 74.3,53.15 74.3,32.45 74.9,31.85 74.9,31.15 82.3,23.75 X6.6@84.75,23.75